# Altium PCB LAB_B3_209_V2.PcbDoc (part 1 of 4) (continued)
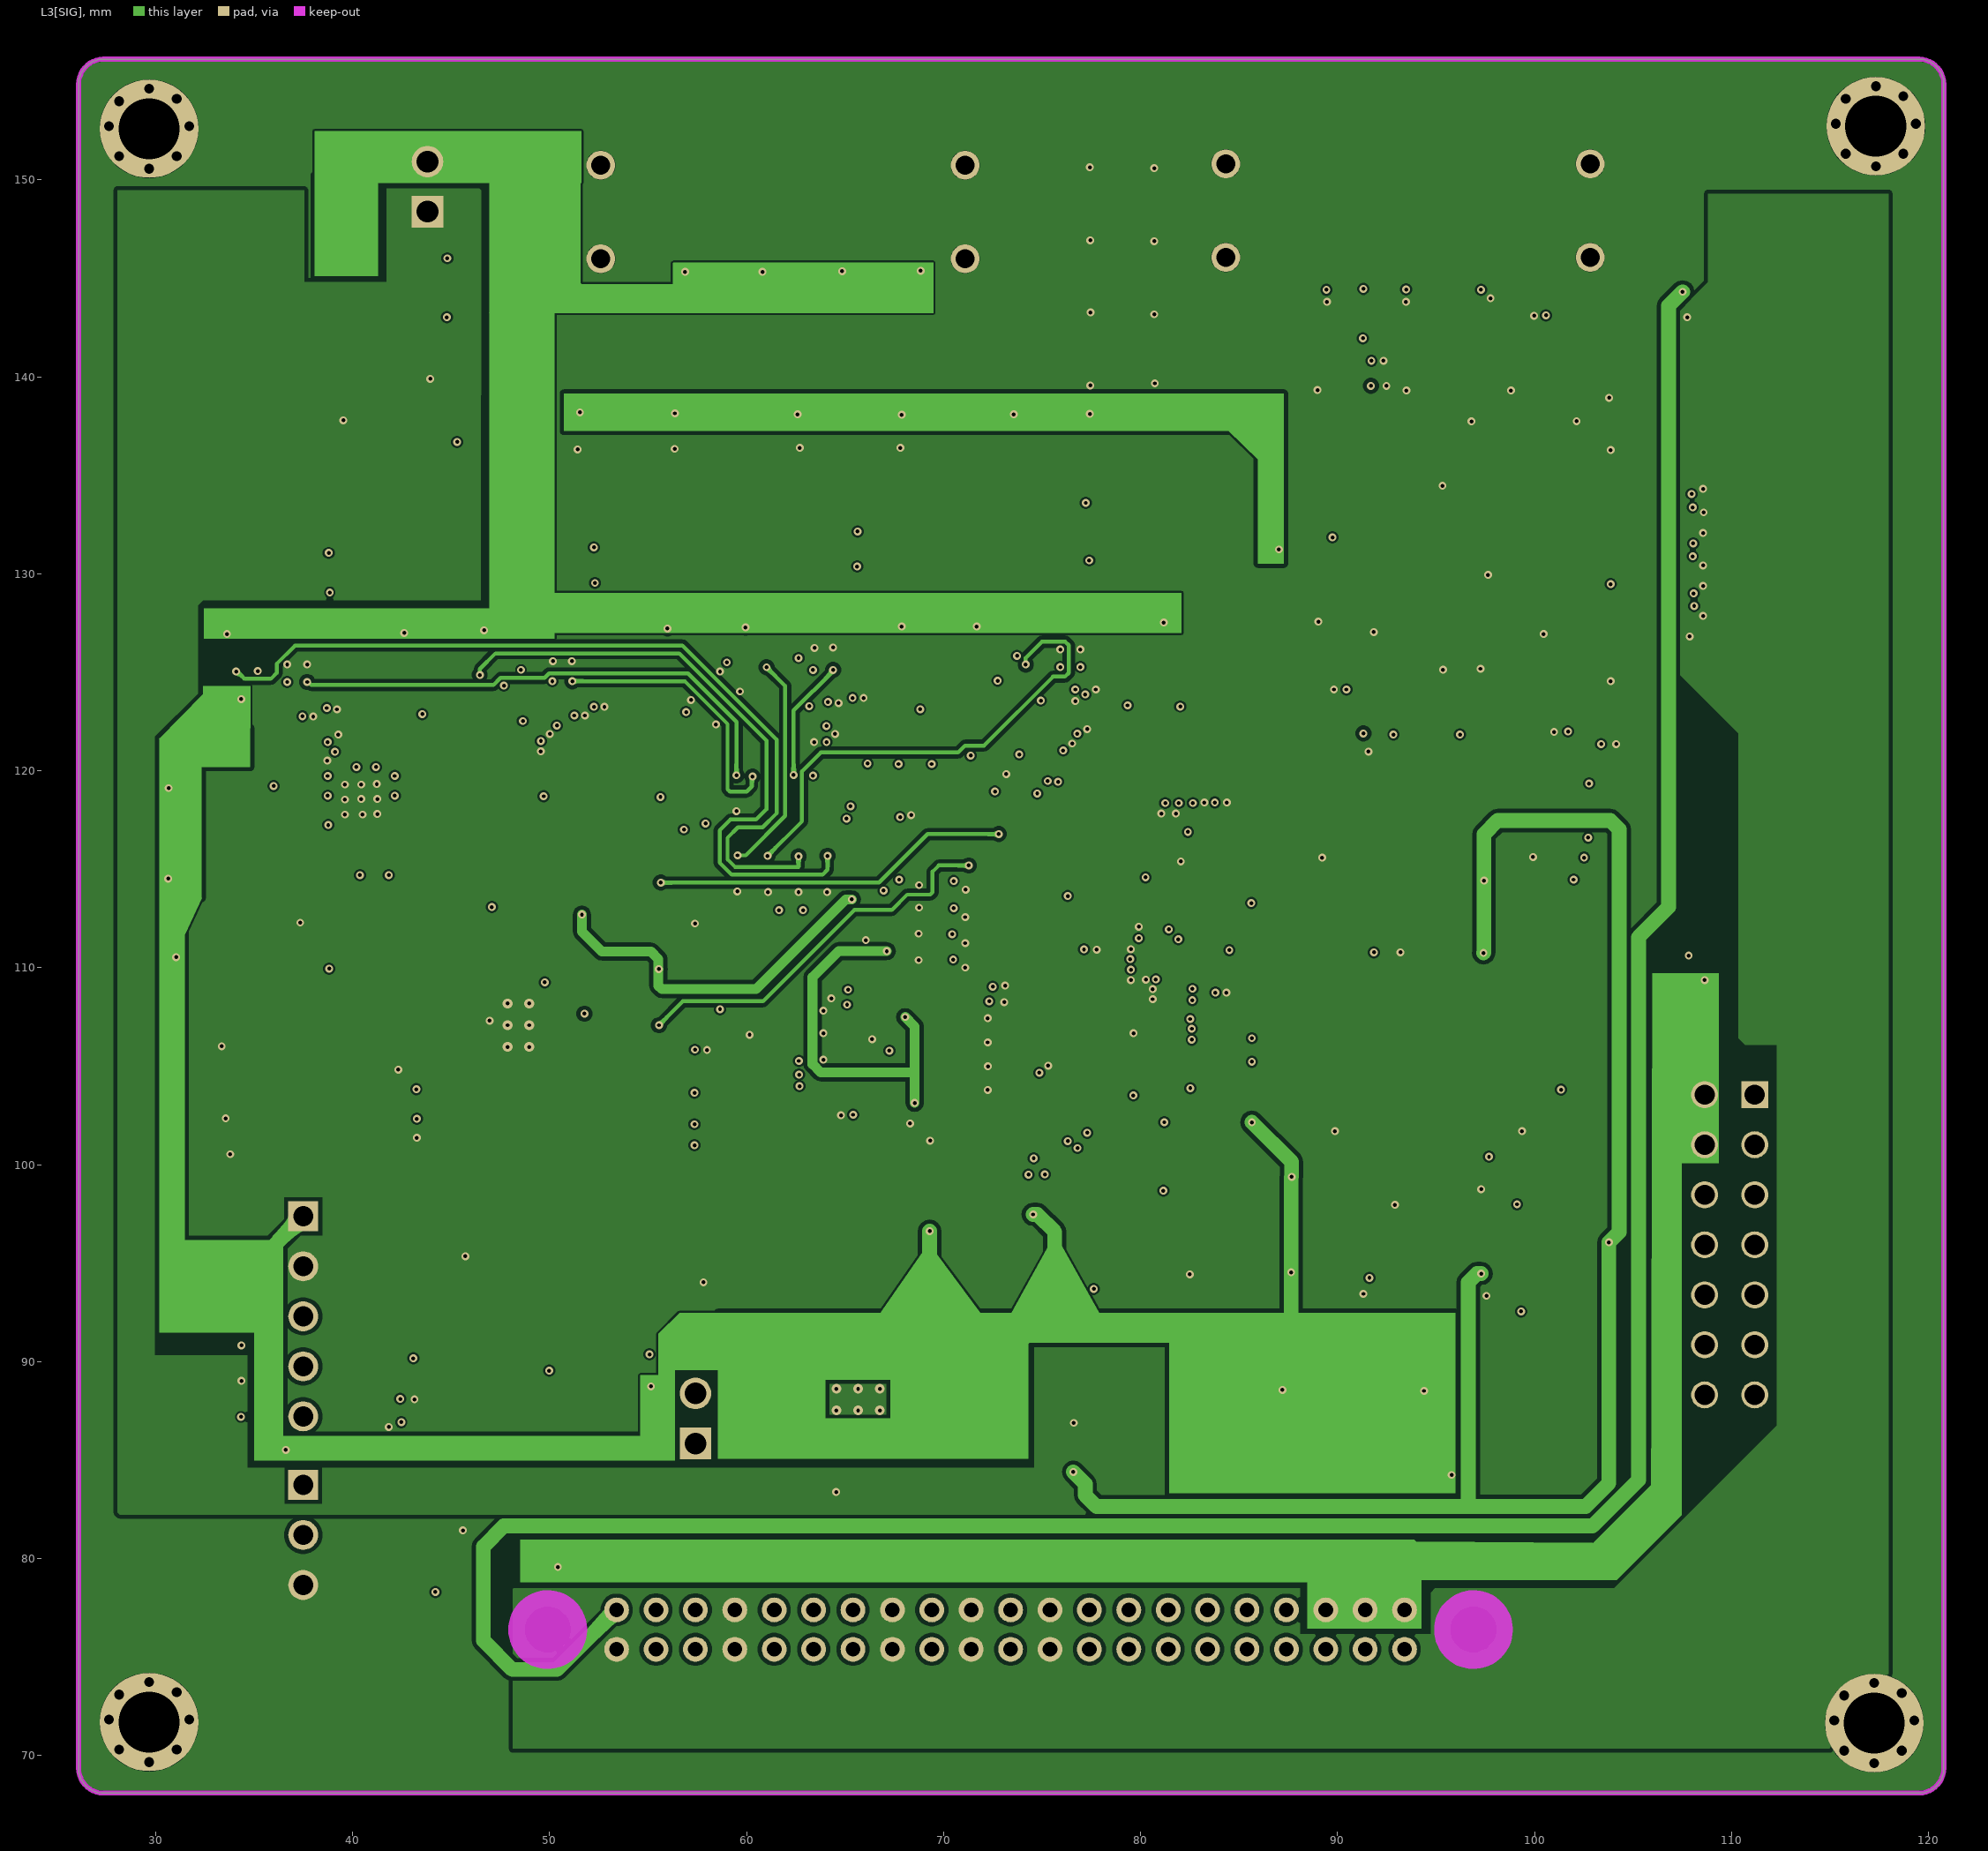
[diagram p3: L3[SIG]]
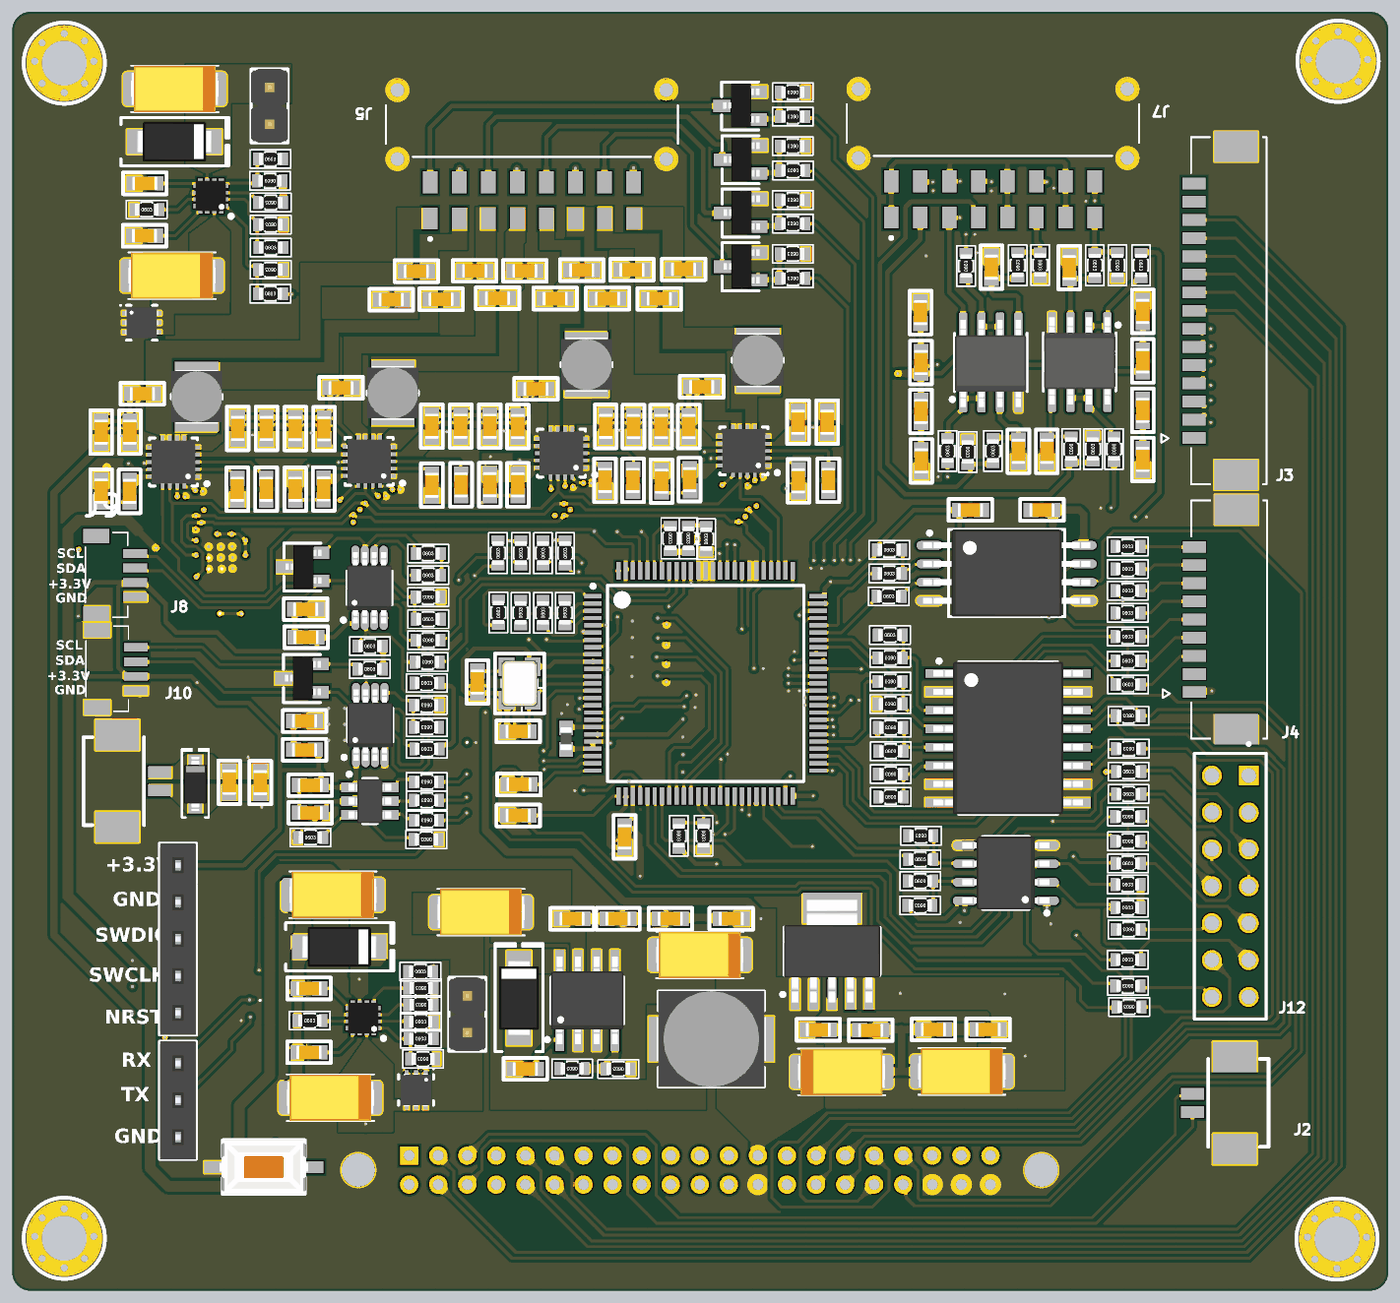
[diagram p7: 3D render of the assembled board from above, using the file's embedded part models]
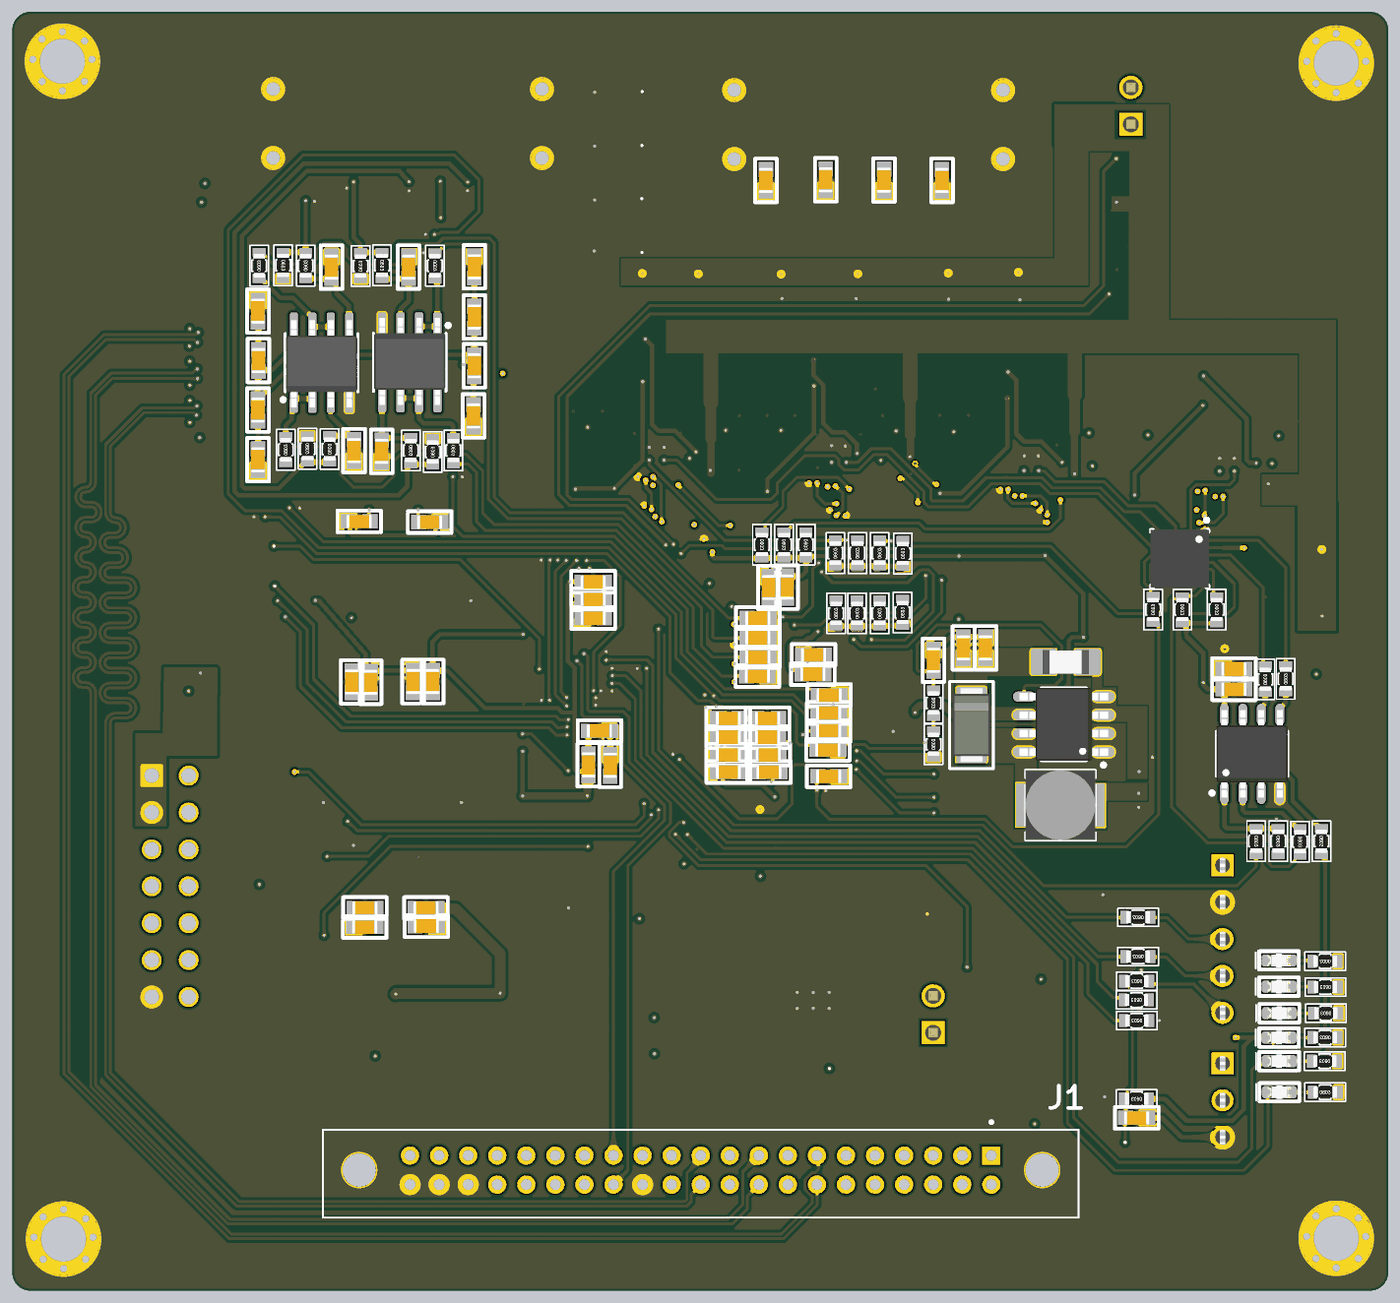
[diagram p8: 3D render of the assembled board from below, using the file's embedded part models]

## Layer stack, top to bottom
Top Solder: solder mask 0.0254, SM-001, Dk 4
L1 [TOP]: signal copper 0.0175
Dielectric 1: prepreg 0.196, PP-017, Dk 4.5
L2[GND]: signal copper 0.035
Dielectric 3: core 1.03, Core-039, Dk 4.6
L3[SIG]: signal copper 0.035
Dielectric 5: prepreg 0.196, PP-017, Dk 4.5
L4[BOT]: signal copper 0.0175
Bottom Solder: solder mask 0.0254, SM-001, Dk 4

## Board outline
26.086,69.367 26.086,154.864 cw(c27.356,154.864) 27.356,156.134 119.507,156.134 cw(c119.507,154.864) 120.777,154.864 120.777,69.367 cw(c119.507,69.367) 119.507,68.097 27.356,68.097 cw(c27.356,69.367)

## Design rules (kind name [scope] priority, off if disabled: settings)
Clearance Clearance_1 [InNetClass('New Class') vs InNetClass('New Class')] p1: gap=0.2 ignorepadtopadclearanceinfootprint=TRUE except(0.1: Arc-Via Arc-Region Track-Via Track-Region SMDPad-Via SMDPad-Region THPad-Via THPad-Region Via-Via Via-Region Fill-Region Poly-Region Region-Region)
Clearance Clearance_DP [InNetClass('DP') vs InNetClass('DP')] p2: gap=0.1 ignorepadtopadclearanceinfootprint=TRUE except(0.2: Arc-Poly Track-Poly SMDPad-Poly THPad-Poly Via-Poly Fill-Poly Poly-Poly)
DiffPairsRouting [All] p1: maxlimit=0.254 minlimit=0.127 mostfreqgap=0.254 toplayer_minwidth=0.2 toplayer_maxwidth=0.381 toplayer_prefwidth=0.381 midlayer1_mingap=0.254 midlayer1_minwidth=0.2 midlayer1_maxwidth=0.381 midlayer1_prefwidth=0.381 midlayer2_mingap=0.254 midlayer2_minwidth=0.2 midlayer2_maxwidth=0.381 midlayer2_prefwidth=0.381 bottomlayer_maxgap=0.127 bottomlayer_prefgap=0.127 bottomlayer_minwidth=0.2 bottomlayer_maxwidth=0.2 bottomlayer_prefwidth=0.2 maxuncoupledlength=12.7
MatchedLengths [InDifferentialPairClass('All Differential Pairs')] p1: tolerance=25.4 checknetsindiffpair=FALSE checkdiffpairvsdiffpair=TRUE checkxsignals=TRUE checkothers=TRUE usedelayunits=TRUE delaytolerance=10.000000
PolygonConnect [All] p1: connectstyle=Direct reliefconductorwidth=0.254 reliefentries=4 polygonreliefangle="90 Angle" airgapwidth=0.254
RoutingVias [All] p1: holewidth=0.711 width=1.27 viastyle="Through Hole" minholewidth=0.711 minwidth=1.27 maxholewidth=0.711 maxwidth=1.27
SolderMaskExpansion [All] p1: expansion=0.102 istentingtop=FALSE
Width [All] p1: maxlimit=1 minlimit=0.2 preferedwidth=0.3
29 further rules are at their usual default settings.

## Classes and differential pairs
net class "New Class": +5v +5V_CAM +12V +12V_EXP CAM_IO_0 CAM_IO_1 CAM_SCL CAM_SDA CAM_SEL_0 CAM_SEL_1 CM4_SCL CM4_SDA "EXP UART RX" "EXP UART TX" GND GND_12_EXP GND_CAM HEATER_1_A HEATER_1_B HEATER_2_B HEATER_3_B HEATER_4_B IR_LED_P ISO_CANH ISO_CANL ISO_RS485_R+ ISO_RS485_R- ISO_RS485_T+ ISO_RS485_T- ISO_SCL ISO_SDA "LED B" "LED G" "MCU NRST" "MCU SWCLK" "MCU SWDIO" "MCU VDDA" MCU_ADC_TEMP1 MCU_ADC_TEMP2 MCU_ADC_TEMP3 MCU_ADC_TEMP4 MCU_ADC_TEMP5 MCU_ADC_TEMP6 MCU_ADC_TEMP7 MCU_ADC_TEMP8 MCU_EF_5_AUX MCU_EF_5_EN MCU_EF_12_AUX MCU_EXP_CAN_RX MCU_EXP_CAN_TX MCU_EXP_RS485_DE MCU_EXP_RS485_R\E\ MCU_EXP_RS485_RX MCU_EXP_RS485_TX MCU_EXP_SCL MCU_EXP_SDA MCU_FRAM_C\S\ MCU_HEATER_PWM1 MCU_HEATER_PWM2 MCU_HEATER_PWM3 MCU_HEATER_PWM4 MCU_IR_LED_PWM MCU_IRQ_0 MCU_IRQ_1 MCU_LASER_ADC1 MCU_LASER_ADC2 MCU_LASER_DAC_CS MCU_LASER_DAC_LATCH MCU_LASER_MISO MCU_LASER_MOSI MCU_LASER_SCK MCU_LASER_SW_EXT_CS MCU_LASER_SW_INT_CS MCU_PHOTO_ADC_CONV MCU_PHOTO_ADC_CS MCU_PHOTO_ADC_EOC MCU_PHOTO_MISO MCU_PHOTO_MOSI MCU_PHOTO_PD_CS MCU_PHOTO_SCK MCU_SENSOR1_EN MCU_SENSOR2_EN MCU_SENSOR_SCL MCU_SENSOR_SDA MCU_TEC_1_C\S\ MCU_TEC_1_EN MCU_TEC_1_SWEN MCU_TEC_2_C\S\ MCU_TEC_2_EN MCU_TEC_2_SWEN MCU_TEC_3_C\S\ MCU_TEC_3_EN MCU_TEC_3_SWEN MCU_TEC_4_C\S\ MCU_TEC_4_EN MCU_TEC_4_SWEN MCU_TEC_ADC MCU_TEC_ADC_CS MCU_TEC_MISO MCU_TEC_MOSI MCU_TEC_SCK Net10_6 Net10_7 NetC3_2 NetC4_2 NetC5_1 NetC5_2 NetC6_1 NetC7_2 NetC14_2 NetC15_2 NetC16_1 NetC19_1 NetC36_1 NetC37_1 NetC40_1 NetC40_2 NetC41_1 NetC41_2 NetC44_2 NetC45_2 NetC60_1 NetC61_1 NetC64_1 NetC64_2 NetC65_1 NetC65_2 NetC68_2 NetC69_2 NetC71_1 NetC72_1 NetC75_1 NetC76_1 NetC79_1 NetC80_1 NetC85_2 NetC87_2 NetC89_1 NetC90_1 NetC93_1 NetC95_2 NetC97_1 NetC99_1 NetC101_2 NetC103_2 NetC105_1 NetC107_1 NetC109_2 NetC111_2 NetC113_1 NetC115_1 NetC117_2 NetC118_2 NetC123_2 NetC125_1 NetC126_2 NetC127_2 NetC131_2 NetC132_2 NetC133_2 NetC134_1 NetC135_1 NetC136_2 NetC137_2 NetC138_2 NetC143_2 NetC150_1 NetC151_1 NetC155_2 NetD4_A NetDS1_K NetDS2_K NetDS3_K NetDS4_K NetDS5_K NetDS6_K NetJ4_3 NetJ4_4 NetJ4_5 NetJ4_6 NetJ4_7 NetJ4_8 NetJ4_9 NetJ6_3 NetJ6_4 NetJ6_5 NetJ8_3 NetJ8_4 NetJ9_3 NetJ9_4 NetJ11_1 NetJ11_2 NetJ12_05 NetJ12_06 NetJ12_07 NetJ12_08 NetJ12_09 NetJ12_10 NetJ12_11 NetJ12_12 NetJ12_14 NetQ1_1 NetQ2_1 NetQ3_1 NetQ4_1 NetR1_1 NetR1_2 NetR3_2 NetR7_2 NetR9_1 NetR12_1 NetR13_1 NetR14_2 NetR19_2 NetR21_2 NetR22_2 NetR23_2 NetR24_2 NetR29_2 NetR30_2 NetR31_2 NetR32_2 NetR37_1 NetR39_2 NetR47_2 NetR48_2 NetR49_2 NetR51_1 NetR56_2 NetR57_2 NetR66_2 NetR67_1 NetR72_1 NetR73_2 NetR78_1 NetR80_2 NetR84_2 NetR85_1 NetR90_1 NetR91_1 NetR96_2 NetR97_1 NetR105_2 NetR106_2 NetR107_2 NetR108_2 NetR118_1 NetR135_2 NetR137_1 NetR139_1 NetR140_1 NetR142_1 NetR143_1 NetR144_1 NetR149_2 NTC1+ NTC1- NTC2- NTC3- NTC4- NTC5- NTC6- NTC7- NTC8- TEC_1_A TEC_1_ADC TEC_1_B TEC_2_A TEC_2_ADC TEC_2_B TEC_3_A TEC_3_ADC TEC_3_B TEC_4_A TEC_4_ADC TEC_4_B "WD DONE" "WD WAKE"
net class DP: CAM_CK_N CAM_CK_P CAM_D0_N CAM_D0_P CAM_D1_N CAM_D1_P GND GND_CAM
component class TEC_DRV: C22 C23 C24 C25 C26 C27 C28 C29 C30 C31 C32 C33 C34 C35 C36 C37 C38 C39 C40 C41 C42 C43 C44 C45 C46 C47 C48 C49 C50 C51 C52 C53 C54 C55 C56 C57 C58 C59 C60 C61 C62 C63 C64 C65 C66 C67 C68 C69 C70 L2 L3 L4 L5 R21 R22 R23 R24 R25 R26 R27 R28 R29 R30 R31 R32 R33 R34 R35 R36 R37 R38 R39 R145 R146 R147 R148 U5 U6 U7 U8 U9
component class POWER: C1 C2 C3 C4 C5 C6 C7 C8 C9 C10 C11 C12 C13 C14 C15 C16 C17 C18 C19 C20 C21 D1 D2 D3 DS1 DS2 DS3 DS4 JP1 JP2 L1 R1 R2 R3 R4 R5 R6 R7 R9 R10 R11 R12 R13 R14 R15 R16 R17 R18 R19 R20 R135 R149 TVS1 TVS2 U1 U2 U3 U4
component class NTC: C85 C86 C87 C88 C89 C90 C91 C92 C93 C94 C95 C96 C97 C98 C99 C100 C101 C102 C103 C104 C105 C106 C107 C108 C109 C110 C111 C112 C113 C114 C115 C116 R66 R67 R68 R69 R70 R71 R72 R73 R74 R75 R76 R77 R78 R79 R80 R81 R82 R83 R84 R85 R86 R87 R88 R89 U13 U14 U15 U16
component class MCU: BT1 C126 C127 C128 C129 C130 C131 C132 C133 C134 C135 C136 C137 C138 C140 C141 C142 C143 C144 C145 C146 C148 C149 C150 C151 DS5 DS6 J6 J11 L7 R105 R106 R107 R108 R109 R110 R111 R112 R113 R114 R115 R116 R117 R118 R119 R137 R138 U20 U21 X1
component class IR_LED: C121 C123 C124 C125 C154 D4 D5 J10 L6 R102 R103 R104 U19
component class I2C_SENSOR: C117 C118 C119 C120 J8 J9 R90 R91 R92 R93 R94 R95 R96 R97 R98 R99 R100 R101 TVS3 TVS4 U17 U18
component class HEATER: C83 C84 C122 C139 Q1 Q2 Q3 Q4 R58 R59 R60 R61 R62 R63 R64 R65
component class HEADER: C152 C153 J1 J2 J3 J4 J5 J7 J12 R8 R120 R121 R122 R123 R124 R125 R126 R127 R128 R129 R130 R131 R132 R133 R134
component class FRAM: C155 C156 R139 R140 R141 R142 R143 R144 U22
component class EXP_OBC_COMM: 10 C71 C72 C73 C74 C75 C76 C77 C78 C79 C80 C81 C82 R40 R41 R42 R43 R44 R45 R46 R47 R48 R49 R50 R51 R52 R53 R54 R55 R56 R57 R136 U11 U12
differential pair CAM_D1: +CAM_D1_P -CAM_D1_N
differential pair CAM_D0: +CAM_D0_P -CAM_D0_N
differential pair CAM_CK: +CAM_CK_P -CAM_CK_N

## Components (designator, comment, footprint, x,y, rotation, side; value= is the part's Value field where it differs from the comment)
10 "ADUM1250WSRZ" ADUM1250WSRZ 94.463,96.85 r180 top
BT1 "BT NRST" SW-SMD 43.4,76.6 r180 top
C1 "33uF/16V" CAP-TAN-2312 47.981,81.382 r180 top
C2 "33uF/16V" CAP-TAN-2312 48.158,95.352 r180 top
C3 "2.2nF/16V" CAP-CER-0603#1 46.507,88.9 r0 top
C4 "2.2nF/16V" CAP-CER-0603#1 46.507,84.506 r0 top
C5 "0.01uF/16V" CAP-CER-0603#1 61.392,83.363 r0 top
C6 "0.22uF/10V" CAP-CER-0603#1 64.618,93.701 r180 top
C7 "0.22uF/16V" CAP-CER-0603#1 75.565,93.701 r180 top
C8 "33uF/16V" CAP-TAN-2312 73.406,91.211 r180 top
C9 "33uF/10V" CAP-TAN-2312 58.344,94.158 r180 top
C10 "0.22uF/10V" CAP-CER-0603#1 67.767,93.701 r180 top
C11 "0.22uF/16V" CAP-CER-0603#1 71.374,93.701 r180 top
C12 "33uF/10V" CAP-TAN-2312 37.084,137.973 r180 top
C13 "33uF/16V" CAP-TAN-2312 37.272,150.829 r180 top
C14 "2.2nF/16V" CAP-CER-0603#1 35.215,144.326 r0 top
C15 "2.2nF/16V" CAP-CER-0603#1 35.189,140.72 r0 top
C16 "0.22uF/10V" CAP-CER-0603#1 81.559,86.055 r180 top
C17 "33uF/10V" CAP-TAN-2312 83.16,83.16 r0 top
C18 "33uF/10V" CAP-TAN-2312 91.437,83.185 r180 top
C19 "0.22uF/10V" CAP-CER-0603#1 93.243,86.081 r0 top
C20 "0.22uF/10V" CAP-CER-0603#1 85.166,86.03 r180 top
C21 "0.22uF/10V" CAP-CER-0603#1 89.484,86.081 r0 top
C22 "4.7uF/10V" CAP-CER-0603#1 41.605,127.457 r90 top
C23 "4.7uF/10V" CAP-CER-0603#1 43.586,127.457 r90 top
C24 "0.1uF/10V" CAP-CER-0603#1 32.207,127.203 r90 top
C25 "0.1uF/10V" CAP-CER-0603#1 34.188,127.203 r90 top
C26 "4.7uF/10V" CAP-CER-0603#1 47.549,127.432 r90 top
C27 "4.7uF/10V" CAP-CER-0603#1 45.568,127.444 r90 top
C28 "0.1uF/10V" CAP-CER-0603#1 54.966,127.61 r90 top
C29 "0.1uF/10V" CAP-CER-0603#1 56.947,127.61 r90 top
C30 "47nF/10V" CAP-CER-0603#1 35.04,129.845 r0 top
C31 "47nF/10V" CAP-CER-0603#1 52.172,136.322 r0 top
C32 "47nF/10V" CAP-CER-0603#1 48.717,130.251 r0 top
C33 "47nF/10V" CAP-CER-0603#1 57.912,138.303 r0 top
C34 "47nF/10V" CAP-CER-0603#1 59.487,136.423 r180 top
C35 "47nF/10V" CAP-CER-0603#1 53.899,138.278 r180 top
C36 "0.22uF/10V" CAP-CER-0603#1 34.163,123.126 r90 top
C37 "0.22uF/10V" CAP-CER-0603#1 45.568,123.266 r90 top
C38 "0.22uF/10V" CAP-CER-0603#1 32.207,123.139 r90 top
C39 "0.22uF/10V" CAP-CER-0603#1 47.523,123.292 r90 top
C40 "0.1uF/10V" CAP-CER-0603#1 43.561,123.266 r90 top
C41 "0.1uF/10V" CAP-CER-0603#1 56.972,123.571 r90 top
C42 "1uF/10V" CAP-CER-0603#1 55.601,136.347 r180 top
C43 "1uF/10V" CAP-CER-0603#1 61.366,138.303 r180 top
C44 "1uF/10V" CAP-CER-0603#1 41.58,123.266 r90 top
C45 "1uF/10V" CAP-CER-0603#1 54.966,123.546 r90 top
C46 "4.7uF/10V" CAP-CER-0603#1 66.929,127.596 r90 top
C47 "4.7uF/10V" CAP-CER-0603#1 68.834,127.584 r90 top
C48 "0.1uF/10V" CAP-CER-0603#1 60.884,127.584 r90 top
C49 "0.1uF/10V" CAP-CER-0603#1 58.953,127.61 r90 top
C50 "4.7uF/10V" CAP-CER-0603#1 70.739,127.584 r90 top
C51 "4.7uF/10V" CAP-CER-0603#1 72.644,127.584 r90 top
C52 "0.1uF/10V" CAP-CER-0603#1 80.162,127.889 r90 top
C53 "0.1uF/10V" CAP-CER-0603#1 82.169,127.889 r90 top
C54 "47nF/10V" CAP-CER-0603#1 63.449,136.398 r0 top
C55 "47nF/10V" CAP-CER-0603#1 62.128,130.175 r0 top
C56 "47nF/10V" CAP-CER-0603#1 68.732,138.379 r0 top
C57 "47nF/10V" CAP-CER-0603#1 73.533,130.327 r0 top
C58 "47nF/10V" CAP-CER-0603#1 65.278,138.354 r180 top
C59 "47nF/10V" CAP-CER-0603#1 70.612,136.373 r180 top
C60 "0.22uF/10V" CAP-CER-0603#1 60.884,123.571 r90 top
C61 "0.22uF/10V" CAP-CER-0603#1 70.764,123.825 r90 top
C62 "0.22uF/10V" CAP-CER-0603#1 58.953,123.583 r90 top
C63 "0.22uF/10V" CAP-CER-0603#2 72.695,123.927 r90 top
C64 "0.1uF/10V" CAP-CER-0603#1 82.245,123.876 r90 top
C65 "0.1uF/10V" CAP-CER-0603#1 68.809,123.876 r90 top
C66 "1uF/10V" CAP-CER-0603#1 67.056,136.398 r180 top
C67 "1uF/10V" CAP-CER-0603#1 72.288,138.405 r180 top
C68 "1uF/10V" CAP-CER-0603#1 66.878,123.876 r90 top
C69 "1uF/10V" CAP-CER-0603#1 80.188,123.85 r90 top
C70 "0.22uF/10V" CAP-CER-0603#1 64.592,103.505 r180 bottom
C71 "0.22uF/10V" CAP-CER-0603#1 96.507,94.437 r0 bottom
C72 "0.22uF/10V" CAP-CER-0603#1 92.304,94.437 r180 bottom
C73 "0.22uF/10V" CAP-CER-0603#1 96.52,93.142 r180 bottom
C74 "0.22uF/10V" CAP-CER-0603#1 92.278,93.193 r0 bottom
C75 "0.22uF/10V" CAP-CER-0603#1 97.409,110.007 r90 bottom
C76 "0.22uF/10V" CAP-CER-0603#1 91.846,110.033 r90 bottom
C77 "0.22uF/10V" CAP-CER-0603#1 96.114,109.982 r270 bottom
C78 "0.22uF/10V" CAP-CER-0603#1 93.193,110.033 r270 bottom
C79 "0.22uF/10V" CAP-CER-0603#1 96.952,121.844 r0 top
C80 "0.22uF/10V" CAP-CER-0603#1 92.024,121.844 r180 top
C81 "0.22uF/10V" CAP-CER-0603#1 96.901,121.056 r180 bottom
C82 "0.22uF/10V" CAP-CER-0603#1 92.05,121.006 r0 bottom
C83 "4.7uF/10V" CAP-CER-0603#1 60.782,144.551 r270 bottom
C84 "0.1uF/10V" CAP-CER-0603#1 56.794,144.526 r270 bottom
C85 "0.22uF/10V" CAP-CER-0603#1 103.886,128.702 r270 top
C86 "0.22uF/10V" CAP-CER-0603#1 103.886,125.324 r270 top
C87 "0.22uF/10V" CAP-CER-0603#1 103.886,132.105 r90 top
C88 "0.22uF/10V" CAP-CER-0603#1 103.886,135.509 r90 top
C89 "0.22uF/10V" CAP-CER-0603#1 95.326,125.882 r270 top
C90 "0.22uF/10V" CAP-CER-0603#1 93.472,138.557 r90 top
C91 "0.22uF/10V" CAP-CER-0603#1 64.592,106.629 r180 bottom
C92 "0.22uF/10V" CAP-CER-0603#1 64.567,109.093 r180 bottom
C93 "0.22uF/10V" CAP-CER-0603#1 88.646,125.222 r270 top
C94 "0.22uF/10V" CAP-CER-0603#1 88.621,128.626 r270 top
C95 "0.22uF/10V" CAP-CER-0603#1 88.621,131.99 r90 top
C96 "0.22uF/10V" CAP-CER-0603#1 88.595,135.433 r90 top
C97 "0.22uF/10V" CAP-CER-0603#1 97.282,125.882 r270 top
C98 "0.22uF/10V" CAP-CER-0603#1 64.592,107.874 r180 bottom
C99 "0.22uF/10V" CAP-CER-0603#1 98.831,138.532 r90 top
C100 "0.22uF/10V" CAP-CER-0603#1 64.643,105.334 r180 bottom
C101 "0.22uF/10V" CAP-CER-0603#1 103.861,128.727 r270 bottom
C102 "0.22uF/10V" CAP-CER-0603#1 103.861,125.298 r270 bottom
C103 "0.22uF/10V" CAP-CER-0603#1 103.835,132.131 r90 bottom
C104 "0.22uF/10V" CAP-CER-0603#1 103.861,135.534 r90 bottom